# Altium PCB PCB1.PcbDoc (part 3 of 4) (continued)
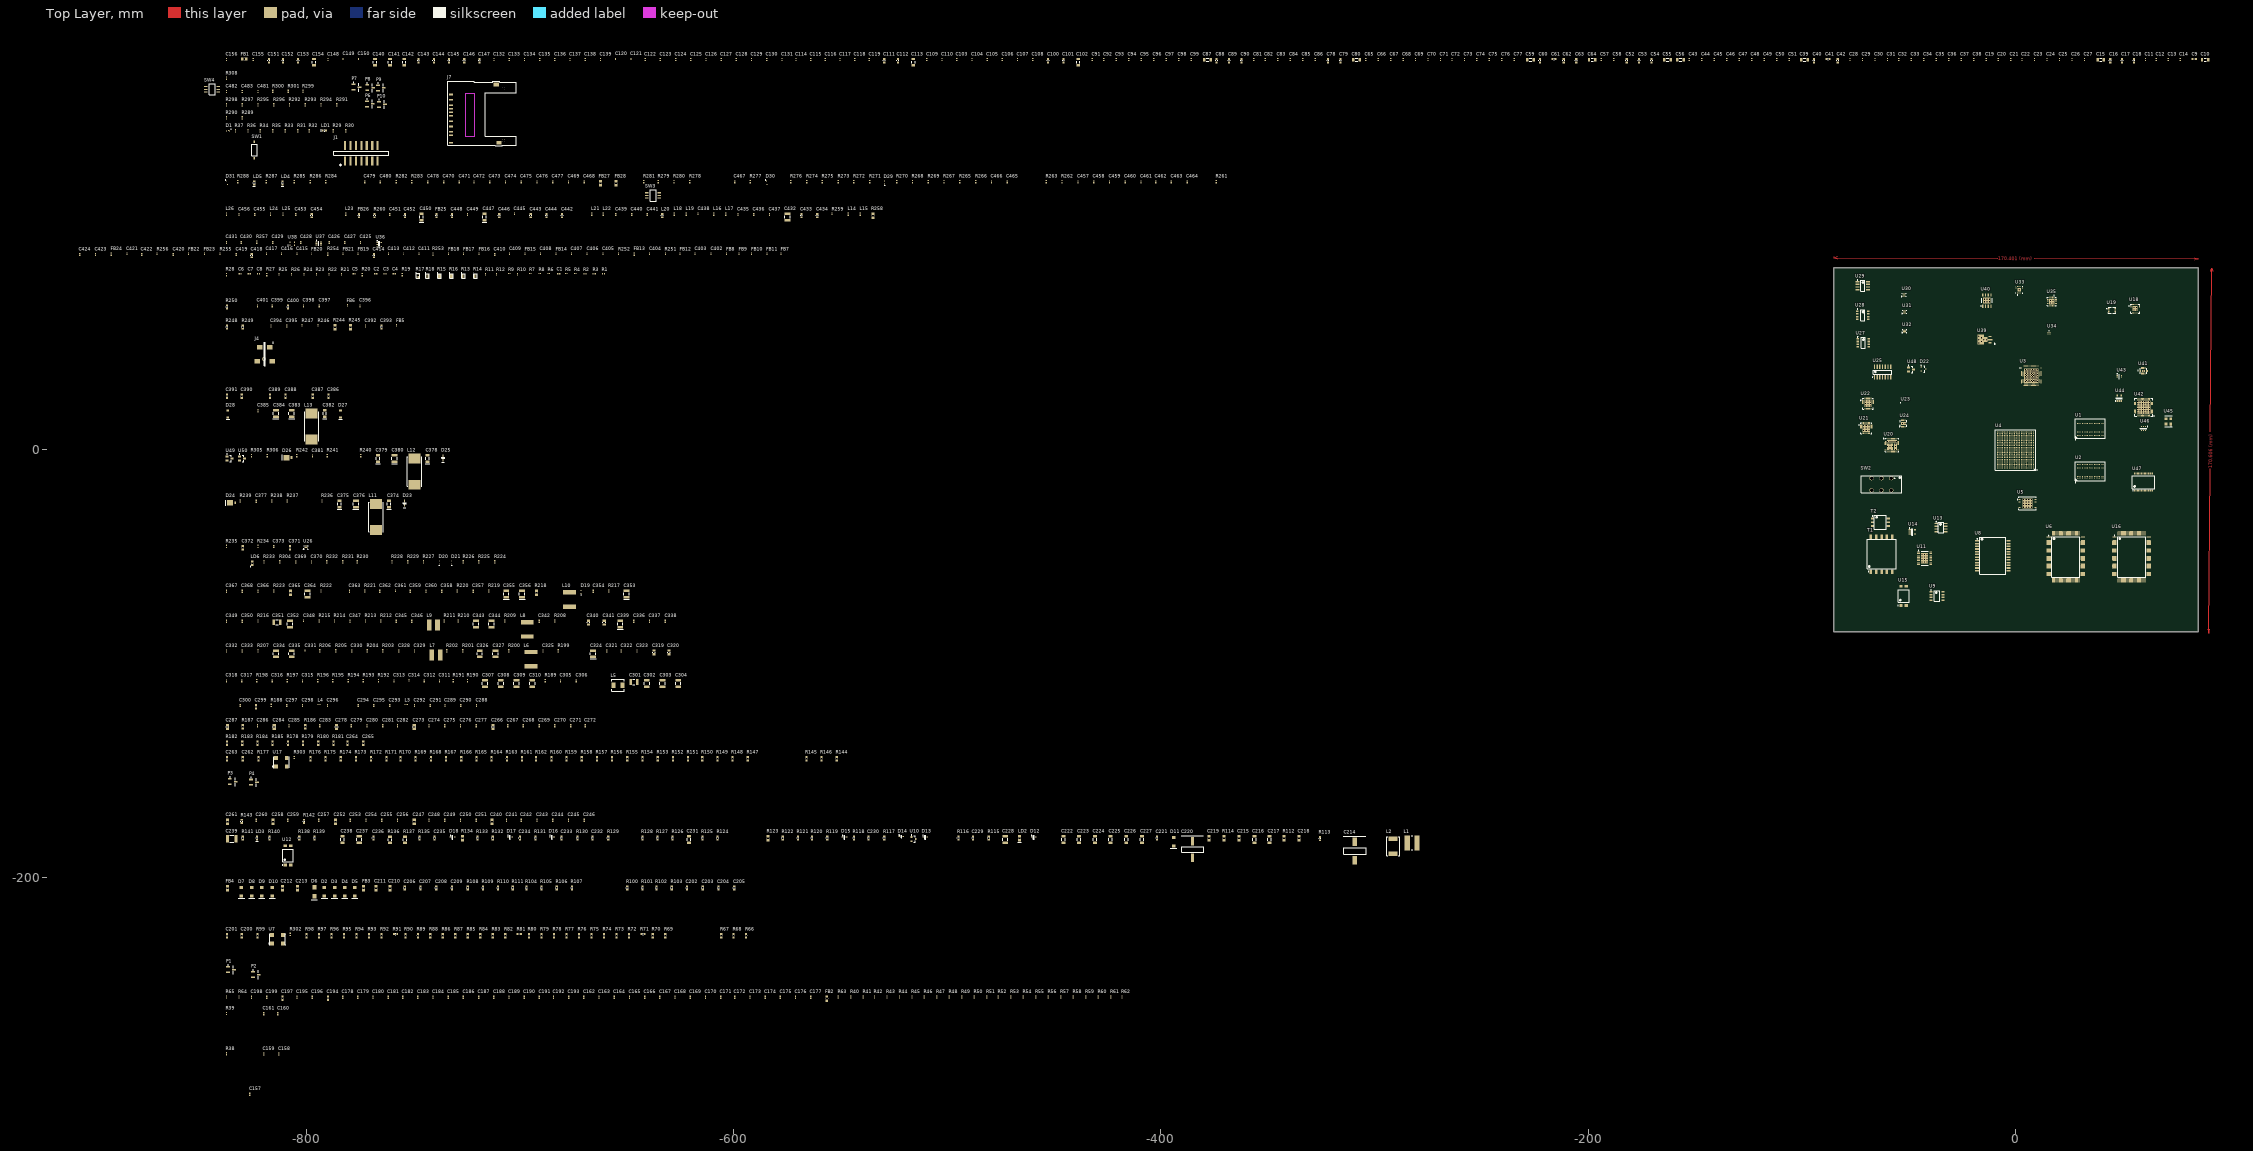
[diagram p0: Top Layer view]
## Part data
C1 C292: library part "\"C0402C104K8PAC\"", "C 100 nF 16 V 0402 X5R"
C2 C6: library part "\"MCCA000122\"", "C 470pF 50V X7R 10% 0402"
C3 C7: library part "\"MCCA000039\"", "C 470pF 50V X7R 10% 0402"
C4 C8: library part "\"MCCA000132\"", "C 470pF 50V X7R 10% 0402"
C5: library part "\"MC0402N100F500CT\"", "C 10pF 1% 50V NP0 0402"
C9 C16 C17 C18 C40 C41 C42 C52 C53 C54 C60 C61 C62 C63 C78 C79 C88 C89 C90 C100 C101 C111 C112 C143 C144 C145 C146 C147 C151 C152 C153 C194 C197: "4.7uF, ceramic, 10% 6.3V X5R Low ESR, 0603"
C10 C15 C39 C55 C56 C59 C64 C80 C87 C102 C113 C140 C141 C142 C154: "CAP CER 100UF 6.3V 20% X5R 1206"
C11 C25 C26 C27 C35 C36 C37 C38 C49 C50 C51 C71 C72 C73 C74 C81 C82 C97 C98 C99 C103 C104 C109 C110 C114 C115 C129 C130 C131 C132 C133 C156 C158 C159 C160 C161 C253 C254 C255 C256 C257 C259 C260 C279 C280 C281 C282 C283 C285 C286 C457 C458 C467 C472 C475 C481: "10000pF, ceramic, 10% 6.3V X5R, 0402"
C12 C13 C20 C21 C22 C23 C24 C28 C29 C30 C31 C32 C33 C34 C44 C45 C46 C47 C48 C66 C67 C68 C69 C70 C75 C76 C83 C84 C85 C92 C93 C94 C95 C96 C105 C106 C107 C116 C117 C118 C122 C123 C124 C125 C126 C127 C128 C134 C135 C136 C137 C138 C139 C162 C163 C164 C165 C166 C167 C168 C169 C170 C171 C172 C173 C174 C175 C176 C177 C178 C179 C180 C181 C182 C183 C184 C185 C186 C187 C188 C189 C190 C191 C192 C193: "0.047uF, ceramic, 10% 6.3V X5R, 0402"
C14 C19 C43 C57 C58 C65 C77 C86 C91 C108 C119 C148 C155 C195 C196 C198 C199: "0.47uF, ceramic, 10% 6.3V X5R, 0402"
C120 C121 C149 C150: "0.1uF, ceramic, 10% 10V X5R, 0201"
C157 C321 C322 C323 C336 C337 C338 C354 C368 C428 C430: library part C1005X5R0J104K, "0.1uf, ceramic, 10%, 6.3V, X5R, 0402"
C200 C262: library part C0603C103K9RACTU, "CAP CER 10000PF 6.3V X7R 0603"
C201 C263 C393 C400: library part 6R3X14W104MV4T, "CAP CER 0.1UF 6.3V 20% X7R 0603"
C202 C203 C204 C205 C264 C265: library part C0603C104K5RACTU, "CAP CER 0.1UF 50V 10% X7R 0603"
C206 C207 C208 C209 C232: library part C0603C103K5RACTU, "CAP CER 10000PF 50V 10% X7R 0603"
C210 C211 C212 C219: library part 101R15W102KV4T, "CAP CER 1000PF 100V 10% X7R 0805"
C213 C215: library part C2012X7R2A104K, "CAP CER 0.1UF 100V 10% X7R 0805"
C214: library part EEE-2AA330P, "CAP ALUM 33UF 100V 20% SMD"
C216 C217 C231 C238: library part C3216X7R2A105K, "CAP CER 1UF 100V 10% X7R 1206"
C218: library part C2012X7R2A103K, "CAP CER 10000PF 100V X7R 0805"
C220: library part PCV1D331MCL2GS, "CAP ALUM 330UF 20V 20% SMD"
C221 C229 C230 C233: library part CC0603ZRY5V9BB104, "CAP CER 0.1UF 50V Y5V 0603"
C222 C223 C224 C225 C226 C227: library part TMK316F106ZL-T, "CAP CER 10UF 25V Y5V 1206"
C228 C237 C432: library part 160X41W105MV4E, "CAP CER 1UF 16V 20% X7R 1210"
C234: library part C0603C101J5GACTU, "CAP CER 100PF 50V 5% NP0 0603"
C235: library part C0603C223K5RACTU, "CAP CER 0.022UF 50V 10% X7R 0603"
C236: library part CC0603KRX7R9BB471, "CAP CER 470PF 50V 10% X7R 0603"
C239: library part C1812C222KGRACTU, "CAP CER 2200PF 2KV 10% X7R 1812"
C240 C247 C252 C266 C273 C278 C365: library part ECJ-2FB0J106M, "10uF, ceramic, 20%, 6.3V, X5R 0805"
C241 C242 C243 C244 C245 C246 C248 C249 C250 C251 C267 C268 C269 C270 C271 C272 C274 C275 C276 C277 C459 C461 C462 C463 C465 C466 C468 C469 C470 C471 C473 C476 C478 C479 C480 C482 C483: "0.1uf, ceramic, 10%, 6.3V, X5R, 0402"
C258 C261 C284 C287 C319 C320 C340 C341: library part JMK212BJ226MG-T, "22uF, ceramic, 20%, 6.3V, X5R, 0805"
C288 C290 C291 C293 C294 C300: library part "\"2238 787 15636\"", "C 10 nF 16 V 0402 X7R"
C289 C449 C451: library part TMK105SD102JV-F, "CAP CER 1000PF 25V 5% 0402"
C295: library part C0402C829J3GACAUTO, "CAP CER 8.2PF 25V 5% NP0 0402"
C296 C298: library part "\"GRM1555C1H220JZ01D\"", "C 22 pF 50 V 0402 NP0"
C297: library part GJM1555C1H1R5CB01D, "CAP CER 1.5PF 50V NP0 0402"
C299 C442 C443 C444 C446 C448 C452 C454: library part VJ0603D221KXAAJ, "CAP CER 220PF 50V 10% NP0 0603"
C301 C302 C303 C304: library part GRM32ER71A476KE15L, "47uF, ceramic, 10% 10V X7R, 1210"
C305 C318: library part 04026D224KAT2A, "0.22uF, ceramic, 10%, 6.3V X5R, 0402"
C306 C317 C363 C425 C427: library part C1005X5R0J105K, "1uF, ceramic, 10%, 6.3V, X5R, 0402"
C307 C308 C309 C310: library part C1210C226M3RACTU, "22uF, ceramic, 20% 25V X7R, 1210"
C311: library part TMK105BJ104KV-F, "0.1uF, ceramic, 10%, 25V, X5R, 0402"
C312: library part 0402YC223JAT2A, "0.022uF, ceramic, 5% 16V X7R, 0402"
C313: library part 0402ZC331KAT2A, "330pF, ceramic, 10% 10V X7R, 0402"
C314: library part "No Load_15pF", "Generic Capacitor"
C315: library part C0402C153K9PACTU, "0.015uF, ceramic, 10% 6.3V X5R, 0402"
C316: library part C1005C0G1H151F, "150pF, ceramic, 1% 50V NP0, 0402"
C324 C339 C376 C380 C384: library part TLCT107M010XTA, "100uF, tantalum, 20% 10V, 1210"
C325 C330 C342 C347: library part C0402C751J3GACTU, "750pF, ceramic, 5% 25V NP0, 0402"
C326 C327 C334 C335 C343 C344 C351 C352: library part GRM32ER61A476KE20L, "47uF, ceramic 10% 10V, X5R, 1210"
C328 C332 C345 C349: library part ECJ-0EB1E471K, "470pF, ceramic, 5%, 25V, X7R, 0402"
C329 C333 C346 C350: library part VJ0402A100JXACW1BC, "10pF, ceramic, 5%, 50V, NP0, 0402"
C331 C348: library part "No Load_0", "Generic Capacitor"
C353 C355 C356: library part TAJB226K006RNJ, "22uF, tantalum, 10% 6.3V, 1210"
C357 C392 C394 C395 C399: library part 04026C101KAT2A, "100pF, ceramic, 10% 6.3V X7R, 0402"
C358 C359 C366 C369: library part ECJ-0EB1E102K, "1000pF, ceramic, 10% 25V X7R, 0402"
C360: library part 0402YC223KAT2A, "0.022uF, ceramic, 10%, 16V, X7R, 0402"
C361: library part "No Load", "Generic Capacitor"
C362: library part LMK105SD332JV-F, "3300pF, ceramic 5% 10V, 0402"
C364: library part GRM32ER60J107ME20L, "100uF, ceramic, 20% 6.3V X5R, 1210"
C367: library part C1005X5R1C334K, "0.33uF, ceramic, 10% 16V X5R, 0402"
C370: library part LMK105BJ224KV-F, "0.22uF, ceramic, 10% 10V X5R, 0402"
C371 C372 C386 C387 C388 C389 C390 C391: library part LMK107BJ475KA-T, "4.7uF, ceramic, 10%, 10V X5R, 0603"
C373 C426 C429 C431: library part GRM155R60J103KA01D, "10000pF, ceramic, 10% 6.3V X5R, 0402"
C374 C378 C382: library part T491A104M035AT, "CAP TANT 0.1UF 35V 20% 1206"
C375 C379: library part T491A475M025AT, "CAP TANT 4.7UF 25V 20% 1206"
C377 C381 C385: library part C1005SL1A222J, "CAP CER 2200PF 10V 5% SL 0402"
C383: library part F951C476KBAAQ2, "CAP TANT 47UF 16V 10% 1210"
C396 C397 C398 C401: library part ATC520L-103KT16T, "CAP 10nF, 16V, 10%, EIA 0402"
C402 C403 C404 C405 C406 C407 C408 C409 C411 C412 C413 C415 C416 C417 C421 C438: library part "\"GRM033R60J104KE19D\"", "C 100 nF 6.3 V X5R 0201"
C410 C419 C420 C422 C423 C424: library part "\"MCCA000506\"", "C 1 uF 10V 0402 X5R"
C414 C418: library part "\"MCCA000517\"", "C 10 uF 6.3 V 0603 X5R"
C433: library part CC0603JRNPO8BN102, "CAP CER 1000PF 25V 5% NPO 0603"
C434: library part 0603YC101KAT2A, "CAP CER 100PF 16V 10% X7R 0603"
C435 C436 C437 C439 C440 C441: library part CBR04C409B1GAC, "CAP CER 4PF 100V NP0 0402,1% tolerace"
C445: library part "\"GRM0335C1ER50BZ01D\"", "C 0.5 pF 25V +-0.1pF COG 0201"
C447 C450: library part T491A106M020AT, "CAP TANT 10UF 20V 20% 1206"
C453: library part 500R07S180GV4T, "CAP CER 18PF 50V 2% NP0 0402"
C455: library part 500R07S8R2CV4T, "CAP CER 8.2PF 50V NP0 0402"
C456: library part 500R07S5R6CV4T, "CAP CER 5.6PF 50V NP0 0402"
C460 C464 C474 C477: "1uF, ceramic, 10%, 6.3V, X5R, 0402"
D1 D30 D31: library part RF2197-000, "SESD0802Q4UG, Quad Diode Array for ESD protection"
D2 D3 D4 D5 D7 D8 D9 D10 D11: library part STPS2H100A, "DIODE SCHOTTKY PWR 100V 2A SMA"
D6: library part SMAJ58A, "DIODE TVS 58V 400W UNI 5% SMA"
D12 D13 D15 D16 D17 D18: library part BAT46JFILM, "IC DIODE SCHOTTKY SS SOD-323"
D14: library part DDZ6V8CSF-7, "DIODE ZENER 6.84V 500MW SOD323F"
D19 D20 D21: library part RB751S40, "RB751S40, 40V 30mA schottky, SOD523F"
D22: library part BZX84-A3V0,215, "BZX84-A3V0, VReg 250mW 3V, SOT23"
D23 D25: library part DB2J31700L, "DIODE 30V 1A SMINI2"
D24 D26: library part SS2P2-M3/84A, "DIODE SCHOTTKY 2A 20V SMP"
D27: library part MBR0520-TP, "DIODE SCHOTTKY 20V 500MA SOD123"
D28: library part MBR130T1G, "DIODE SCHOTTKY 30V 1A SOD123"
D29: library part ShottkyDiode, "RB751S40, 40V 30mA schottky, SOD523F"
FB1 FB2 FB27 FB28: library part FerriteBead0805, "MPZ2012S601A, 600 ohm, 100MHz, 0805"
FB3 FB4: library part MPZ2012S101A, "FERRITE CHIP 100 OHM 4A 0805"
FB5 FB6 FB7 FB8 FB9 FB10 FB11 FB12 FB14 FB15 FB16 FB17 FB18 FB19 FB20 FB21 FB22 FB23: library part "\"MMZ0603S601C\"", "Ferrite Bead 600 Ohm"
FB13 FB24: library part "\"MMZ1005S601C\"", "Ferrite 300mA 600ohm 0402"
FB25 FB26: library part MPZ1608S300A, "FERRITE CHIP 30 OHM 5A 0603, DCR 10mOHM"
J1: library part SBH11-NBPC-D07-SM-BK, "CONN HEADR 2.54MM 14POS GOLD SMD"
J4: library part PJ-028-SMT, "CONN PWR JACK 0.8X3.35MM SMT"
J7: library part 145638009511859+, "CONN MEMORY CARD NORMAL TOP PCB"
L1: library part MSS7341-103MLB, "INDUCTOR, 10uH,DCR 0.038, CURRENT 1.64A"
L2: library part DO1813H-181MLB, "INDUCTOR, 0.33uH,DCR 0.004, CURRENT 10A"
L3: library part 0402AF-330, "INDUCTOR, 33nH, 0402, DCR 0.06,"
L4: library part 0402CS-10N, "INDUCTOR, 10nH, 0402, DCR 0.2,"
L5: library part IHLP2020CZER1R5M01, "IHLP2020CZER1R5M01, 1.5uH 7.2A, SMD"
L6 L8 L10: library part SRN6045-1R0Y, "SRN6045-1R0Y, 1uH 4.2A-8.5A, CDRH6D38"
L7 L9: library part NRS5020T1R0NMGJ, "NRS5020T1R0NMGJ, 1uH 3.6A, 5020"
L11 L12: library part IHSM4825ER2R0L, "Surface Mount Inductor,22uH,1.7A"
L13: library part IHSM4825ER3R3L, "INDUCTOR POWER 3.3UH 4.6A SMD"
L14 L15 L18 L19 L21 L22: library part 0402HP-12NXGLW, "INDUCTOR, 12nH, 0402, DCR 0.07,2%"
L16 L17: library part "\"0402CS-36NX_L\"", "Inductor 36 nH 0402 5%"
L20: library part 0603HP-68NX_LU, "INDUCTOR_CER_68nH, 0.34ohm, 5%, 0603"
L23: library part 0603HP-47N, "INDUCTOR, 47nH, 0603, DCR 0.24,"
L24 L26: library part 0402CS-1N2, "INDUCTOR, 1.2nH, 0402, DCR 0.09,"
L25: library part 0402CS-1N8, "INDUCTOR, 1.8nH, 0402, DCR 0.09,"
LD1 LD4 LD5: "LED 565NM GRN DIFF 0603 SMD"
LD2: library part LTST-C171GKT, "LED GREEN CLEAR THIN 0805 SMD"
LD3: library part UT-692NB, "Blue, SMD, 0603 Hi Brite"
LD6: library part "\"HSMG-C190\"", "LED 570NM GREEN DIFF 0603 SMD"
P1 P2 P3 P4 P6 P7 P8 P9 P10: "CONN HEADER .050\" 3POS SMD GOLD"
R1: library part "\"MC 0.0625W 0402 1% 12K\"", "R 12 kOhm 1 % 63 mW 0402"
R2: library part "\"232270676802\"", "R 6800 Ohm 1 % 63 mW 0402"
R3: library part RC0402JR-07390RL, "390 ohm, 5%, 1/16W, 0402"
R4 R7 R8 R9 R10 R11 R12 R26 R246 R247: library part "\"MCRE000100\"", "R 22 Ohm 1% 50 mW 0201"
R5 R6: library part "\"MCRE000164\"", "R 10K Ohm 1 % 50 mW 0201"
R13 R14 R15 R16 R17 R18: library part YC124-JR-0722RL, "RES ARRAY 22 OHM 4 RES 0804"
R19 R27: library part "\"CRCW04021K20FKEAHP\"", "R 1k2 Ohm 1% 63mV 0402"
R20 R28: library part ERJ-2RKF8200X, "RES 820 OHM 1/10W 1% 0402 SMD"
R21 R22 R23 R24 R25: library part "\"MCRE000108\"", "R 47 Ohm 1% 50mV 0201"
R29 R268 R274 R275 R276 R278 R279 R280: "10K ohm, 5%, 1/16W, 0402"
R30: "270 ohm, 5%, 1/16W, 0402"
R31: "0.0 ohm shunt, 5%, 1/16W, 0402"
R32 R34 R65: "4.7K ohm, 5%, 1/16W, 0402"
R33 R36 R37: "100 ohm, 5%, 1/16W, 0402"
R35: "50 ohm, 5% 50mW, 0402"
R38 R39: "240 ohm, 1% 1/16W, 0402"
R40 R41 R42 R43 R44 R45 R46 R47 R48 R49 R50 R51 R52 R53 R54 R55 R56 R57 R58 R59 R60 R61 R62 R64: "40.2 ohm, 1% 1/16W, 0402"
R63: "80.6 ohm, 1% 1/16W, 0402"
R66 R67 R68 R69 R72 R75 R78 R79 R80 R81 R82 R83 R84 R85 R86 R87 R88 R89 R90 R91 R94 R144 R145 R146 R147 R150 R153 R156 R157 R158 R159 R160 R161 R162 R163 R164 R165 R166 R167 R168 R169 R172: library part ERJ-3EKF2001V, "RES 2.00K OHM 1/10W 1% 0603 SMD"
R70 R71 R73 R74 R76 R77 R92 R93 R95 R96 R97 R98 R99 R148 R149 R151 R152 R154 R155 R170 R171 R173 R174 R175 R176 R177: library part ERJ-3EKF33R0V, "RES 33.0 OHM 1/10W 1% 0603 SMD"
R100 R101 R102 R103 R104 R105 R106 R107 R178 R179 R180 R181 R182 R183 R184 R185: library part ERJ-3EKF49R9V, "RES 49.9 OHM 1/10W 1% 0603 SMD"
R108 R109 R110 R111: library part ERJ-3GEYJ750V, "RES 75 OHM 1/10W 5% 0603 SMD"
R112: library part CRCW0805100KJNEA, "RES 100K OHM 1/8W 5% 0805 SMD"
R113 R260: library part ERJ-3GEYJ102V, "RES 1.0K OHM 1/10W 5% 0603 SMD"
R114: library part CRCW080510R0JNEA, "RES 10 OHM 1/8W 5% 0805 SMD"
R115 R118 R119: library part ERJ-3GEY0R00V, "RES 0.0 OHM 1/10W 0603 SMD"
R116 R124: library part ERJ-3GEYJ100V, "RES 10 OHM 1/10W 5% 0603 SMD"
R117 R131: library part ERJ-3GEYJ104V, "RES 100K OHM 1/10W 5% 0603 SMD"
R120 R122: library part ERJ-3EKF1002V, "RES 10.0K OHM 1/10W 1% 0603 SMD"
R121: library part ERJ-3EKF1243V, "RES 124K OHM 1/10W 1% 0603 SMD"
R123: library part CRCW08050000Z0EA, "RES 0.0 OHM 1/8W 0805 SMD"
R125: library part ERJ-3GEYJ272V, "RES 2.7K OHM 1/10W 5% 0603 SMD"
R126: library part ERJ-3EKF3321V, "RES 3.32K OHM 1/10W 1% 0603 SMD"
R127: library part ERJ-3GEYJ220V, "RES 22 OHM 1/10W 5% 0603 SMD"
R128: library part ERJ-3EKF2101V, "RES 2.10K OHM 1/10W 1% 0603 SMD"
R129: library part ERJ-3GEYJ681V, "RES 680 OHM 1/10W 5% 0603 SMD"
R130: library part ERJ-3EKF2492V, "RES 24.9K OHM 1/10W 1% 0603 SMD"
R132: library part ERJ-3GEYJ473V, "RES 47K OHM 1/10W 5% 0603 SMD"
R133: library part ERJ-3GEYJ511V, "RES 510 OHM 1/10W 5% 0603 SMD"
R134: library part CRCW080535R7FKEA, "RES 35.7 OHM 1/8W 1% 0805 SMD"
R135 R140: library part ERJ-3EKF4751V, "RES 4.75K OHM 1/10W 1% 0603 SMD"
R136 R137: library part CSR1206FKR300, "RES 0.3OHM 1/2W 1% 1206 SMD"
R138: library part ERJ-3GEYJ153V, "RES 15K OHM 1/10W 5% 0603 SMD"
R139: library part RNCP0603FTD12K4, "RES 12.4K OHM 1/8W 1% 0603 SMD"
R141: library part ERJ-3EKF1001V, "RES 1.00K OHM 1/10W 1% 0603 SMD"
R142 R186: library part ERJ-3EKF18R2V, "RES 18.2 OHM 1/10W 1% 0603 SMD"
R143 R187: library part ERJ-3EKF10R0V, "RES 10.0 OHM 1/10W 1% 0603 SMD"
R188 R227 R230: library part RK73H1ETTP3302F, "33K ohms, 1% 1/16W, 0402"
R189: library part RC0402FR-07470RL, "470 ohm, 1% 1/16W, 0402"
R190: library part RC0402JR-0710RL, "10 ohm, 5%, 1/16W, 0402"
R191: library part MCR01MZPF1000, "100 ohm, 1%, 1/16W, 0402"
R192 R198: library part ERJ-2RKF1823X, "182K ohm, 1%, 1/16W, 0402"
R193 R197: library part ERJ-2RKF9101X, "9.1K ohm, 1% 1/10W, 0402"
R194: library part ERJ-2RKF4531X, "4.53K ohm, 1%, 1/16W, 0402"
R195: library part RC0402FR-074K7L, "4.7K ohm, 1%, 1/16W, 0402"
R196 R226 R239 R242: library part RC0402JR-0710KL, "10K ohm, 5%, 1/16W, 0402"
R199 R205 R208 R214: library part RC0402JR-07150RL, "150 ohm, 5% 1/16W, 0402"
R200 R203 R209 R212 R222 R223: library part ERA-2AEB103X, "10K ohm, 0.1% 1/16W, 0402"
R201 R207 R213: library part ERA-2AEB222X, "2.2K ohm, 0.1% 1/16W, 0402"
R202 R204 R211: library part MCR01MZPF1802, "18K ohm, 1% 1/16W, 0402"
R206 R215: library part CRCW040216K0JNED, "16K ohm, 5% 1/16W, 0402"
R210: library part 2-1879215-2, "6.65K ohm, 0.1% 1/16W, 0402"
R216: library part ERA-2AEB153X, "15K ohm, 0.1% 1/16W, 0402"
R217: library part ERJ-2GEJ203X, "20K ohm, 5%, 1/16W, 0402"
R218: library part MCR10EZHFL1R00, "1 ohm, 1% 1/4W, 0805"
R219: library part 2-1879215-9, "8.06K ohm, 0.1% 1/16W, 0402"
R220: library part ERJ-2RKF2321X, "2.32K ohm, 1% 1/16W, 0402"
R221: library part RG1005P-4021-B-T5, "4.02K ohm, 0.1% 1/16W, 0402"
R224 R235: library part MCR01MZPF1003, "100K ohm, 1%, 1/16W, 0402"
R225: library part ERJ-2RKF4302X, "43K ohm, 1% 1/10W, 0402"
R228 R229: library part RC0402JR-07100KL, "100K ohm, 5%, 1/16W, 0402"
R231: library part ERJ-2RKF1502X, "15K ohm, 1% 1/10W, 0402"
R232 R302 R303: library part CRCW04029K76FKED, "9.76K ohm, 1% 1/16W, 0402"
R233: library part CRCW0402402RFKED, "402 ohm, 1%, 1/16W, 0402"
R234: library part MCR01MZPF1273, "127K ohm, 1%, 1/16W, 0402"
R236: library part ERJ-2RKF9531X, "RES 9.53K OHM 1/10W 1% 0402 SMD"
R237 R292 R293 R294 R295 R296 R297 R298 R299 R308: "20K ohm, 5%, 1/16W, 0402"
R238 R241: library part CRCW04024K99FKED, "4.99K ohm, 1% 1/16W, 0402"
R240: library part ERJ-2RKF7501X, "RES 7.50K OHM 1/10W 1% 0402 SMD"
R244 R245: library part 9C08052A1004JLHFT, "1M ohm, 5%, 1/8W, 0805"
R248 R249 R250: library part FC0603E50R0BTBST1, "RES 50 OHM 125MW .1% 0603 SMD"
R251: library part "\"MCRE000120\"", "R 150 Ohm 1% 50mV 0201"
R252: library part "\"MCRE000092\"", "R 10 Ohm 1% 50mW 0201"
R253 R254: library part "\"RC0402JR-0722RL\"", "R 22 Ohm 5% 63mW 0402"
R255 R256: library part "\"ERJ-1GEJ271C\"", "RES 270 OHM 1/20W 5% 0201 SMD"
R257: library part ERJ-2GEJ220X, "RES 22 OHM 1/10W 5% 0402 SMD"
R258: library part ERJ-6GEYJ120V, "RES 12 OHM 1/8W 5% 0805 SMD"
R259: library part "\"MCRE000111\"", "R 0 Ohm 1 % 50 mW 0201"
R261 R263 R267 R271 R277: "100K ohm, 5%, 1/16W, 0402"
R262 R266 R269 R270 R272: "4.99K ohm, 1% 1/16W, 0402"
R265: "470 ohm, 5%, 1/16W, 0402"
R273: "12K ohm, 1% 1/10W, 0402"
R281: "2K ohm, 5% 1/16W, 0402"
R282 R283: library part RES_0805, "0.0 ohm shunt, 5%, 1/16W, 0402"
R284 R286: "24 ohm, 1% 1/16W, 0402"
R285: "1K ohm, 5%, 1/16W, 0402"
R287 R288: "390 ohm, 5%, 1/16W, 0402"
R289 R290: library part RMCF0402FT80R6, "80.6 ohm, 1% 1/16W, 0402"
R291: library part CRCW040224R0FKED, "24 ohm, 1% 1/16W, 0402"
R300 R301: "RES 20.0K OHM 1/10W 1% 0402 SMD"
R304: library part ERJ-2RKF54R9X, "RES 54.9 OHM 1/10W 1% 0402 SMD"
R305 R306: library part ERJ-2RKF6650X, "RES 665 OHM 1/10W 1% 0402 SMD"
SW1: "SWITCH DIP 1-POS SLIDE SMD"
SW2: library part L102021ML04Q, "SWITCH SLIDE MINI SPDT R/A"
SW3 SW4: library part 1.14002.1110000, "SWITCH PUSH SPST-NO 0.1A 35V"
T1: library part 750310742, "TRANS FLYBACK POE+ 38UH SMD"
T2: library part DA2319-ALC, "SMT Gate Drive Transmorfer"
U1 U2: "MT41J128M16HA-15E:D, DDR3 SDRAM 4Gb x4, x8, x16, FBGA96"
U3: "RF Transceiver LMS6002D, 120 pin DQFN package, 1.8V and 3.3V"
U4: library part ZYNQ_xc7z020clg484pkg, "XC7Z020-1CLG484CES, Zynq-7000 All Programmable SoC"
U5: library part S25FL256SAGNFI001, "S25FL256SAGMFI00, Serial Flash Memory, 256Mbit, Low Voltage, 104MHz SPI Bus Interface, SOIC16 WIDE"
U6 U16: library part TI_DP83865DVH, "Ethernet PHY_TI_DP83865DVH, Gigabit Ethernet PHYTER,128 Lead Plastic Flat Pack"
U7 U17: library part VCC1-B2B-25M000, "VCC1-B2B-25M000, 25MHz, 3.3V +/- 10%, No tri-state, +/-50 ppm, -40 to +85 deg"
U8: library part H6062NLT, "Magnetics, GigabitTransformer, H6062NLT, Pulse"
U9: library part "BSO051N03MS G", "MOSFET N-CH 30V 14A DSO-8"
U10: library part MMBT3906LT1G, "TRANS GP SS PNP 40V SOT23"
U11: library part PM8803TR, "IC POE-PD/PWM CTLR 20-HTSSOP"
U12 U15: library part FOD817ASD, "OPTOCOUPLER PHOTOTRANS OUT 4-SMD"
U13: library part SI4848DY-T1-E3, "MOSFET N-CH 150V 2.7A 8-SOIC"
U14: library part TS431AILT, "IC VREF SHUNT PREC ADJ SOT-23-5"
U18: library part SE4110L, "High sensitivity / low power GPS and A-GPS,10 mA operating current with 2.7-3.3 V supply"
U19: library part 7Q-16.368MBG-T, "OSC TCXO 16.368 MHZ 3.3V SMD"
U20: library part MAX8686ETL+, "MAX8686ETL+, Buck Sync ADJ 25A, TQFP40-EP"
U21 U22: library part MAX15021ATI+, "MAX15021ATI, 4A/2A, 4MHz, Step-Down DC-DC Regulator, TQFN28"
U23: library part MAX15053EWL+T, "MAX15053EWL, 2A, Current-Mode Synchronous, Step-Down reg, WLP9"
U24: library part MAX1510ETB+T, "MAX1510ETB, Low-Voltage, DDR Linear Regulators, DFN10"
U25: library part LM339MX/NOPB, "Quad Comparator,14-SOP"
U26: library part MIC94325YMTTR, "IC REG LDO ADJ .5A 6TDFN"
U27 U28: library part LT1376CS8#PBF, "IC REG BUCK ADJ 1.5A 8SOIC"
U29: library part LT1507CS8-3.3#PBF, "IC REG BUCK 3.3V 1.5A 8SOIC"
U30 U31 U32: "IC REG LDO 1.8V .5A 6TDFN"
U33: library part PE42440MLBB-Z, "SP4T UltraCMOS RF Switch, 50 - 3000 MHz, Isolation 34dB, Insertion loss 0.45 dB,16QFN"
U34: library part B0322J5050AHF, "Ultra Low Profile 0805 Balun, 50 ohm unbalanced to 50  Balanced"
U35: library part HMC849LP4CE, "HIGH ISOLATION SPDT  NON-REFLECTIVE SWITCH, DC - 6 GHz, Isolation 60dB"
U36: library part LP3985IM5-2.8/NOPB, "LDO_TI_LP3985,150mA,CMOS, IC REG LDO 2.8V .15A SOT-23-5"
U37: library part SN74AVC1T45DCKR, "Level Translator, IC BUS TRANSCVR TRI-ST SC70-6"
U38: library part KT2520Y40000ECV28TBA, "TCXO_KYOCERA_KT2520Y40000ECV28TBA,40MHz,2.8V"
U39: library part SGA6489, "GainBlock, SiGe HBT MMIC Amplifier, 5V"
U40: library part RFPA3800, "GaAs HBT 150MHz TO 960MHz POWER  AMPLIFIER,Package: SOIC-8"
U41: "74LCX126BQX, quad buffer, LV N-Inv, DQFN14"
U42: "FT232HQ, USB HS to UART/FIFO SPI/JTAG/I2C, QFN-48"
U43: library part NC7WZ07P6X, "NC7WZ07, dual non-inverting buffer, SC-70-6 (SOT-363)"
U44: "NC7SZ125M5X, Tri-State Buffer UHS, SOT-23"
U45: "767-12-69, 12MHz 3.3V HCMOS Oscillator, HC5"
U46: "93LC56BT-I/OT, EEPROM 2Kbit 3MHz, SOT23-6"
U47: "CY7C64225-28PVXC, USB-UART bridge"
U48 U49 U50: library part FDV301N, "MOSFET N-CH 25V 220MA SOT-23"

## Via types
v1: diameter 0.66, hole 0.33, Top Layer to Bottom Layer, tented top, 64 vias
v2: diameter 0.4, hole 0.2, Top Layer to Bottom Layer, tented top, 61 vias
v3: diameter 0.5, hole 0.2, Top Layer to Bottom Layer, 49 vias
v4: diameter 1, hole 0.64, Top Layer to Bottom Layer, 7 vias

## Nets (pads, with @x,y where several pads share a name; then routed paths per layer and width w, separated by ;. In a path a pad name is that pad's centre, name@x,y a point inside that pad or via, vN(x,y) a via of type N, cw(c..) or ccw(c..) an arc to the next point about the centre after c; other vN are vias at no path point)
A_D_N: U8.22
A_D_P: U8.23
A_GND: C1.2 C2.1 C4.1 C5.1 C6.1 C8.1 C289.1 C290.1 C291.1 C292.2 C293.1 C294.2 C295.1 C297.1 C299.1 C392.1 C393.1 C394.1 C395.1 C399.1 C400.1 C402.1 C404.2 C405.2 C406.1 C407.2 C408.1 C409.1 C410.1 C411.1 C412.1 C413.2 C414.1 C415.2 C416.1 C417.1 C418.1 C422.2 C424.1 C432.1 C433.1 C434.1 C436.1 C438.1 C440.2 C441.1 C447.2 C448.2 C449.1 C450.2 C451.1 C452.2 C455.1 C456.1 L18.2 L19.1 L22.2 L26.1 R1.2 R3.2 R20.1 R28.1 R248.1 R249.1 R250.1 U3.97 U3.99 U3.117 U18.6 U18.12 U18.13 U18.14 U18.19 U18.25 U19.1 U19.2 U33.1 U33.5 U33.7 U33.9 U33.10 U33.12 U33.14 U34.2 U35.5 U35.10 U35.11 U39.2 U39.4
  other v1: 55.475,65.525 56.675,65.525 55.475,66.725 56.675,66.725
  other v2: 4.725,32.05 5.825,32.05 6.925,32.05 8.025,32.05 9.125,32.05 10.225,32.05 5.275,32.6 6.375,32.6 7.475,32.6 8.575,32.6 9.675,32.6 4.725,33.15 5.825,33.15 6.925,33.15 8.025,33.15 9.125,33.15 10.225,33.15 5.275,33.7 6.375,33.7 7.475,33.7 8.575,33.7 9.675,33.7 4.725,34.25 5.825,34.25 6.925,34.25 8.025,34.25 9.125,34.25 10.225,34.25 5.275,34.8 6.375,34.8 7.475,34.8 8.575,34.8 9.675,34.8 4.725,35.35 5.825,35.35 6.925,35.35 8.025,35.35 9.125,35.35 10.225,35.35 5.275,35.9 6.375,35.9 7.475,35.9 8.575,35.9 9.675,35.9 4.725,36.45 5.825,36.45 6.925,36.45 8.025,36.45 9.125,36.45 10.225,36.45 5.275,37 6.375,37 7.475,37 8.575,37 9.675,37 4.725,37.55 5.825,37.55 6.925,37.55 8.025,37.55 9.125,37.55 10.225,37.55
  other v4: -17.159,50.051 -15.889,50.786 -17.159,51.65 -14.797,51.65 -13.4,51.65 -15.889,52.514 -17.159,53.249
A_VCC1V8: C100.2 C101.2 C102.2 C103.2 C104.2 C105.2 C106.2 C107.2 C108.2 C111.2 C112.2 C113.2 C114.2 C115.2 C116.2 C117.2 C118.2 C119.2 C247.2 C248.2 C249.2 C250.2 C251.2 C252.2 C253.2 C254.2 C255.2 C256.2 C273.2 C274.2 C275.2 C276.2 C277.2 C278.2 C279.2 C280.2 C281.2 C282.2 C355.1 C356.1 C357.2 C478.2 FB1.2 L10.2 R142.2 R143.2 R186.2 R187.2 R219.2 U4.K9 U4.L10 U4.M9 U4.N10 U4.P9 U4.P11 U4.R10 U4.T9 U6.11 U6.19 U6.25 U6.35 U6.48 U6.63 U6.73 U6.92 U6.103 U6.105 U6.111 U6.117 U6.123 U16.11 U16.19 U16.25 U16.35 U16.48 U16.63 U16.73 U16.92 U16.103 U16.105 U16.111 U16.117 U16.123 U43.5
A_VCC2V5: C257.2 C260.2 C283.2 C286.2 C371.2 C373.2 R234.2 U6.96 U6.101 U16.96 U16.101 U26.1
AC_GPIOH4: R275.1 U42.28 U44.1
AC_GPIOH5: R274.1 U42.29 U44.2
AD_GPIOL1: U42.18
AD_GPIOL2: U42.19
AD_GPIOL3: R269.1 U41.1 U41.4 U41.10 U41.13 U42.20
AD_TCLK: R262.2 U41.2 U42.13 U42.17
AD_TDI: R265.2 R271.1 U41.11
AD_TDO: R266.2 U41.5 U42.14
AD_TMS: R270.2 U41.9 U42.16
B_D_N: U8.19
B_D_P: U8.20
C_D_N: U8.16
C_D_P: U8.17
CLK_OUT: U4.W16 U18.9
CLOCK_IN: R99.2 U6.86
CT1: D2.2 D7.1 R108.2 U8.24
CT2: D3.2 D8.1 R109.2 U8.21
CT3: D5.2 D10.1 R111.2 U8.18
CT4: D4.2 D9.1 R110.2 U8.15
D_D_N: U8.13
D_D_P: U8.14
DATA_EN: U4.U16 U18.23
DDR3_A0: R57.1 U1.N3 U2.N3 U4.M4
DDR3_A1: R56.1 U1.P7 U2.P7 U4.M5
DDR3_A2: R55.1 U1.P3 U2.P3 U4.K4
DDR3_A3: R54.1 U1.N2 U2.N2 U4.L4
DDR3_A4: R53.1 U1.P8 U2.P8 U4.K6
DDR3_A5: R52.1 U1.P2 U2.P2 U4.K5
DDR3_A6: R51.1 U1.R8 U2.R8 U4.J7
DDR3_A7: R50.1 U1.R2 U2.R2 U4.J6
DDR3_A8: R49.1 U1.T8 U2.T8 U4.J5
DDR3_A9: R48.1 U1.R3 U2.R3 U4.H5
DDR3_A10: R47.1 U1.L7 U2.L7 U4.J3
DDR3_A11: R46.1 U1.R7 U2.R7 U4.G5
DDR3_A12: R45.1 U1.N7 U2.N7 U4.H4
DDR3_A13: R44.1 U1.T3 U2.T3 U4.F4
DDR3_A14: R43.1 U1.T7 U2.T7 U4.G4
DDR3_BA0: R42.1 U1.M2 U2.M2 U4.L7
DDR3_BA1: R41.1 U1.N8 U2.N8 U4.L6
DDR3_BA2: R40.1 U1.M3 U2.M3 U4.M6
DDR3_CAS: R61.1 U1.K3 U2.K3 U4.P3
DDR3_CKE0: R64.1 U1.K9 U2.K9 U4.V3
DDR3_CLK0_N: R63.2 U1.K7 U2.K7 U4.N5
DDR3_CLK0_P: R63.1 U1.J7 U2.J7 U4.N4
DDR3_DM0: U2.E7 U4.B1
DDR3_DM1: U2.D3 U4.H3
DDR3_DM2: U1.E7 U4.P1
DDR3_DM3: U1.D3 U4.AA2
DDR3_DQ00: U2.E3 U4.D1
DDR3_DQ01: U2.F7 U4.C3
DDR3_DQ02: U2.F2 U4.B2
DDR3_DQ03: U2.F8 U4.D3
DDR3_DQ04: U2.H3 U4.E3
DDR3_DQ05: U2.H8 U4.E1
DDR3_DQ06: U2.G2 U4.F2